# KiCad board manila_ice.kicad_pcb
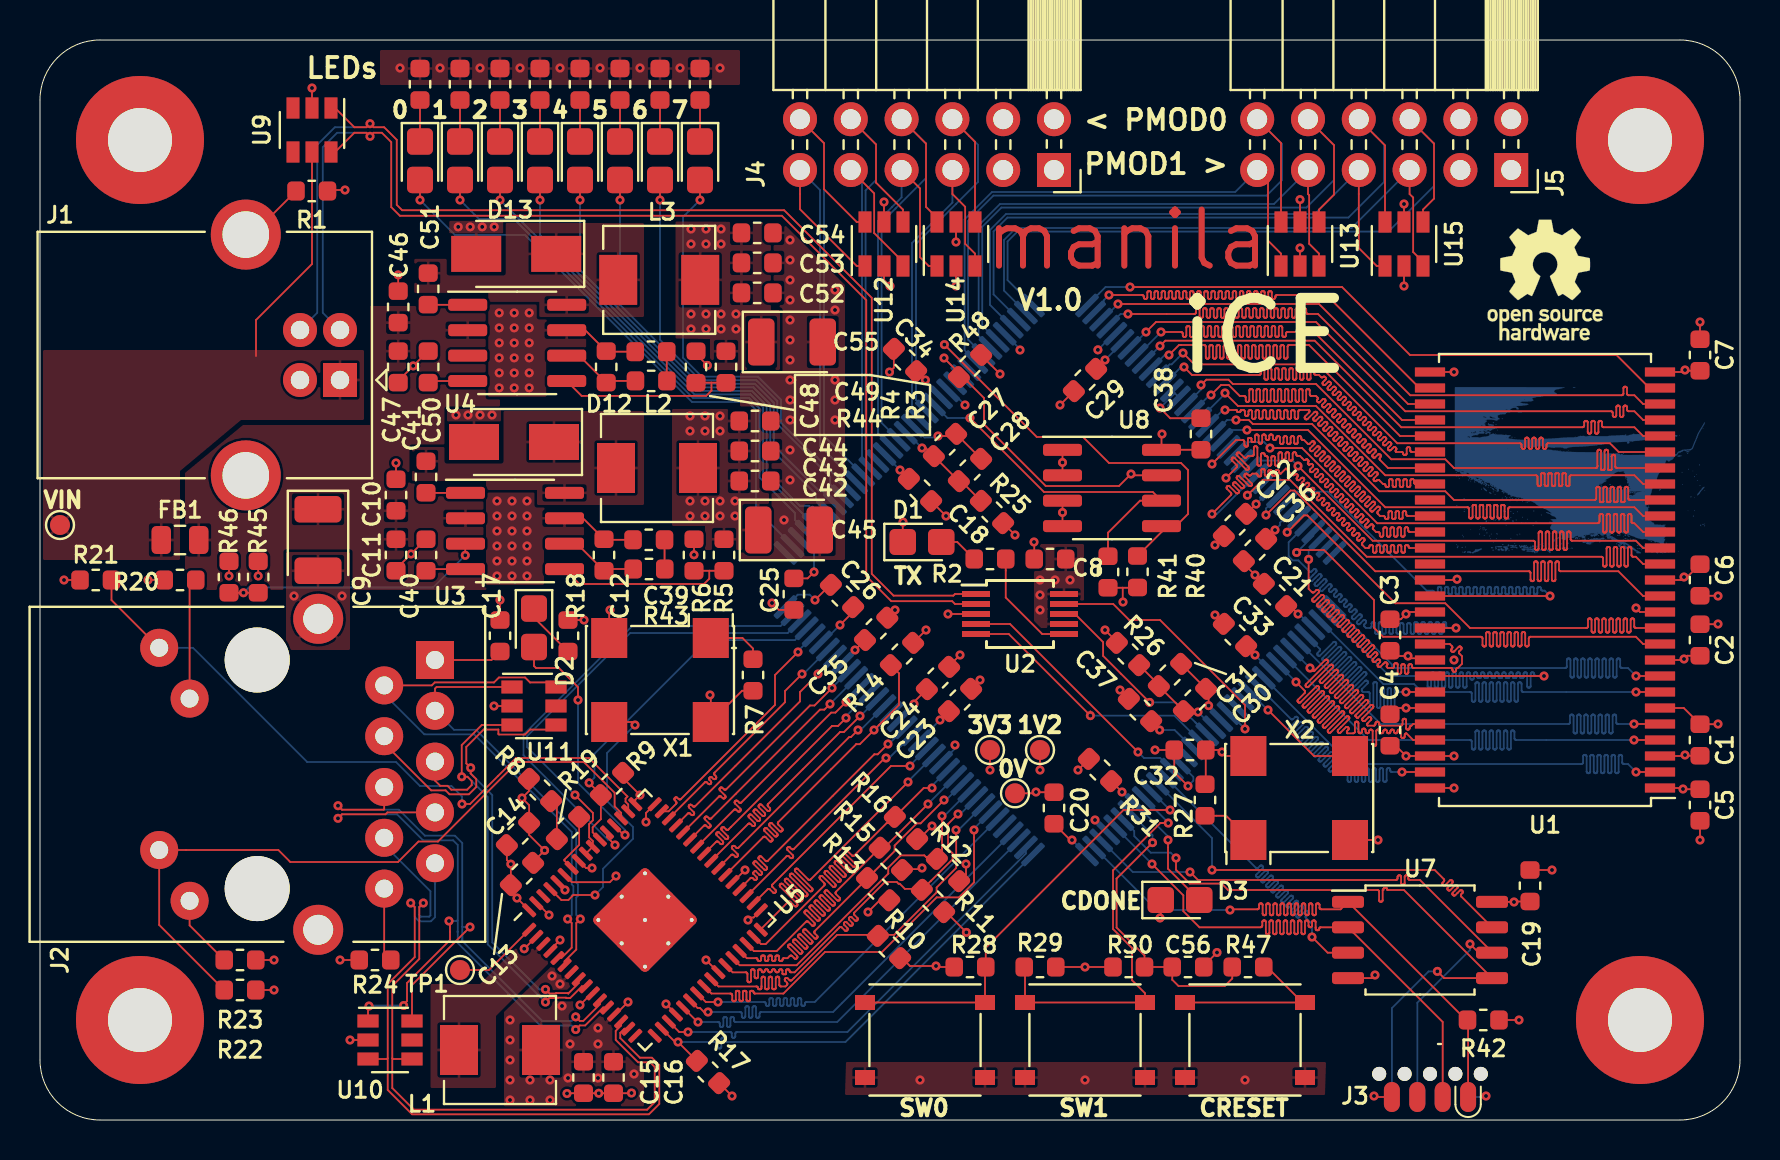
[diagram p0: board, top side]
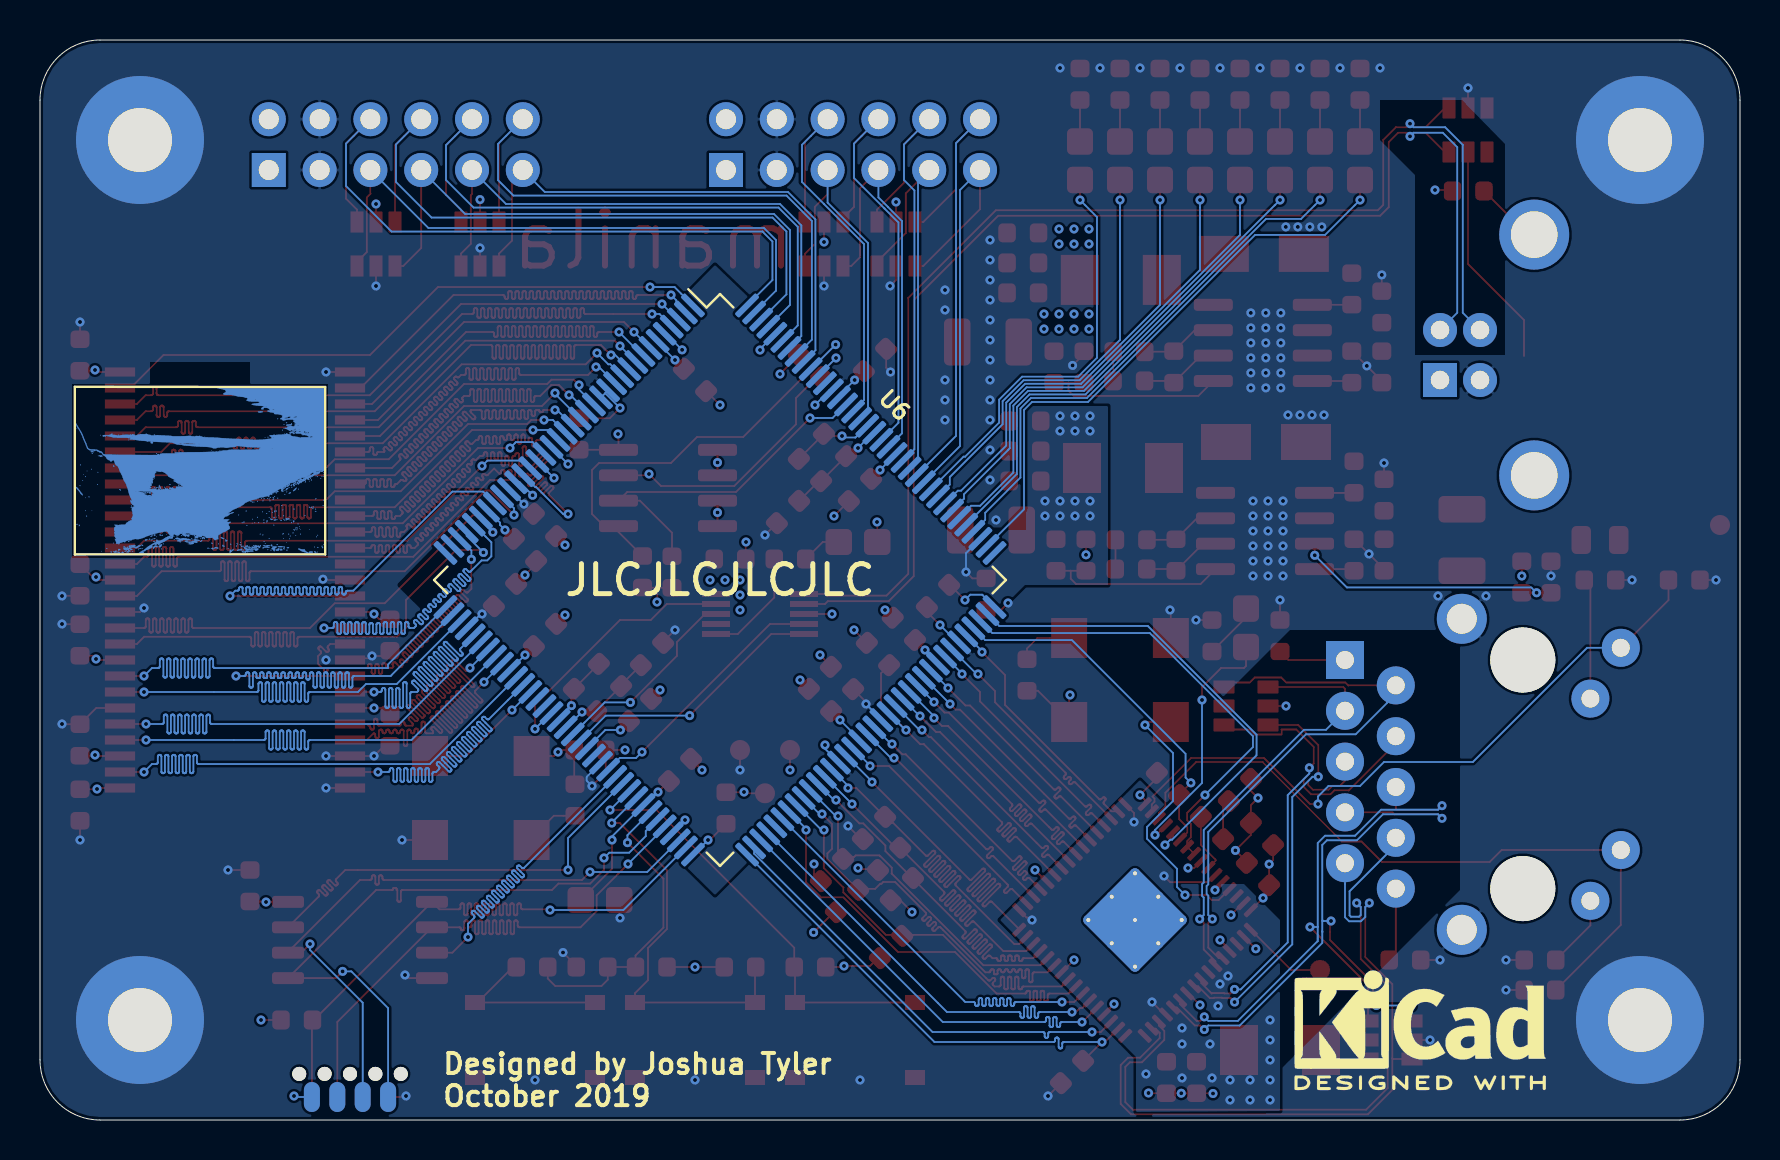
[diagram p1: board, bottom side, seen from below]

Outline 85 x 54 mm; copper layers: Top, In1.Cu, In2.Cu, Bottom. Coordinates in mm from the lower left corner of the outline.
Outline path: 0,51 arc(0.88,53.12) 3,54 82,54 arc(84.12,53.12) 85,51 85,3 arc(84.12,0.88) 82,0 3,0 arc(0.88,0.88) 0,3 0,51

## Placement (name value [footprint] x y rotation side)
C1  100n  [C_0603_1608Metric]  83 19 90 top
C2  100n  [C_0603_1608Metric]  83 24 90 top
C3  100n  [C_0603_1608Metric]  67.5 24.25 270 top
C4  100n  [C_0603_1608Metric]  67.5 19.5 270 top
C5  100n  [C_0603_1608Metric]  83 15.75 270 top
C6  100n  [C_0603_1608Metric]  83 27 270 top
C7  100n  [C_0603_1608Metric]  83 38.25 90 top
C8  100n  [C_0603_1608Metric]  50.5 28.05 180 top
C9  100u  [CP_EIA-3528-21_Kemet-B]  13.9 29 270 top
C10  22u  [C_0603_1608Metric]  17.8 31.25 90 top
C11  100n  [C_0603_1608Metric]  17.8 28.25 270 top
C12  10p  [C_0603_1608Metric]  28.2 28.25 90 top
C13  100n  [C_0603_1608Metric]  24.1 12.3 45 top
C14  4u7  [C_0603_1608Metric]  23.9 14.3 45 top
C15  100n  [C_0603_1608Metric]  27.17 2.12 270 top
C16  4u7  [C_0603_1608Metric]  28.67 2.12 270 top
C17  100n  [C_0603_1608Metric]  23 24.21 90 top
C18  100n  [C_0603_1608Metric]  44 31.5 315 top
C19  100n  [C_0603_1608Metric]  74.5 11.71 90 top
C20  100n  [C_0603_1608Metric]  50.7 15.6 90 top
C21  100n  [C_0603_1608Metric]  61.75 26.25 135 top
C22  100n  [C_0603_1608Metric]  59.75 29.75 225 top
C23  100n  [C_0603_1608Metric]  46 21 45 top
C24  100n  [C_0603_1608Metric]  44.9 22.1 45 top
C25  100n  [C_0603_1608Metric]  37.69 26.29 270 top
C26  100n  [C_0603_1608Metric]  40.1 26.2 315 top
C27  100n  [C_0603_1608Metric]  45.25 33.75 45 top
C28  4u7  [C_0603_1608Metric]  46.5 32.5 45 top
C29  100n  [C_0603_1608Metric]  52.25 37 225 top
C30  100n  [C_0603_1608Metric]  57.75 21 45 top
C31  4u7  [C_0603_1608Metric]  56.5 22.25 45 top
C32  100n  [C_0603_1608Metric]  57.5 18.5 180 top
C33  100n  [C_0603_1608Metric]  59.75 24.25 135 top
C34  100n  [C_0603_1608Metric]  43.25 38 135 top
C35  100n  [C_0603_1608Metric]  41.81 24.56 45 top
C36  100n  [C_0603_1608Metric]  60.75 28.5 225 top
C37  100n  [C_0603_1608Metric]  55 20.5 135 top
C38  100n  [C_0603_1608Metric]  58.05 34.3 90 top
C39  1n  [C_0603_1608Metric]  30.44 29.01 180 top
C40  10n  [C_0603_1608Metric]  19.3 28.25 90 top
C41  100n  [C_0603_1608Metric]  19.3 32.15 90 top
C42  22u  [C_0603_1608Metric]  35.75 31.95 0 top
C43  22u  [C_0603_1608Metric]  35.75 33.45 0 top
C44  22u  [C_0603_1608Metric]  35.75 34.95 0 top
C45  100u  [CP_EIA-3528-21_Kemet-B]  37.45 29.5 0 top
C46  22u  [C_0603_1608Metric]  17.91 40.66 90 top
C47  100n  [C_0603_1608Metric]  17.91 37.66 270 top
C48  10p  [C_0603_1608Metric]  28.31 37.66 90 top
C49  1n  [C_0603_1608Metric]  30.55 38.42 180 top
C50  10n  [C_0603_1608Metric]  19.41 37.66 90 top
C51  100n  [C_0603_1608Metric]  19.41 41.56 90 top
C52  22u  [C_0603_1608Metric]  35.86 41.36 0 top
C53  22u  [C_0603_1608Metric]  35.86 42.86 0 top
C54  22u  [C_0603_1608Metric]  35.86 44.36 0 top
C55  100u  [CP_EIA-3528-21_Kemet-B]  37.6 38.9 0 top
C56  100n  [C_0603_1608Metric]  57.4 7.65 0 top
D1  LED  [D_0805_2012Metric_Castellated]  44.1 28.9 0 top
D2  LED  [D_0805_2012Metric_Castellated]  24.7 24.61 270 top
D3  LED  [D_0805_2012Metric_Castellated]  57 11 0 top
D4  LED  [D_0805_2012Metric_Castellated]  33 47.96 270 top
D5  LED  [D_0805_2012Metric_Castellated]  31 47.96 270 top
D6  LED  [D_0805_2012Metric_Castellated]  29 47.96 270 top
D7  LED  [D_0805_2012Metric_Castellated]  27 47.96 270 top
D8  LED  [D_0805_2012Metric_Castellated]  25 47.96 270 top
D9  LED  [D_0805_2012Metric_Castellated]  23 47.96 270 top
D10  LED  [D_0805_2012Metric_Castellated]  21 47.96 270 top
D11  LED  [D_0805_2012Metric_Castellated]  19 47.96 270 top
D12  SS54  [D_SMA]  23.7 33.9 180 top
D13  SS54  [D_SMA]  23.81 43.31 180 top
FB1  GZ2012D101TF  [L_0805_2012Metric]  7 29 180 top
H1  MountingHole_Pad  [MountingHole_3.2mm_M3_Pad]  5 49 0 top
H2  MountingHole_Pad  [MountingHole_3.2mm_M3_Pad]  80 49 0 top
H3  MountingHole_Pad  [MountingHole_3.2mm_M3_Pad]  80 5 0 top
H4  MountingHole_Pad  [MountingHole_3.2mm_M3_Pad]  5 5 0 top
J1  USB_B  [USB_B_OST_USB-B1HSxx_Horizontal]  15 37 180 top
J2  RB1-125B8G1A  [RJ45_UDE_RB1-125B8G1A]  19.75 23 270 top
J3  Conn_01x08  [SOIC_clipProgSmall]  69.5 0.4 0 top
J4  Conn_02x06_Odd_Even  [PinSocket_2x06_P2.54mm_Horizontal]  50.7 47.5 270 top
J5  Conn_02x06_Odd_Even  [PinSocket_2x06_P2.54mm_Horizontal]  73.56 47.5 270 top
L1  2u2  [L_Sunlord_MWSA0518_5.4x5.2mm]  23 3.5 0 top
L2  2u2  [L_Sunlord_MWSA0518_5.4x5.2mm]  30.85 32.6 0 top
L3  2u2  [L_Sunlord_MWSA0518_5.4x5.2mm]  30.96 42 0 top
R1  1k  [R_0603_1608Metric]  13.59 46.45 0 top
R2  1k  [R_0603_1608Metric]  47.5 28.05 180 top
R3  7k5  [R_0603_1608Metric]  34.3 37.65 270 top
R4  2k4  [R_0603_1608Metric]  32.8 37.65 90 top
R5  1k2  [R_0603_1608Metric]  34.2 28.25 270 top
R6  2k4  [R_0603_1608Metric]  32.7 28.25 90 top
R7  10k  [R_0603_1608Metric]  35.65 22.25 90 top
R8  91  [R_0603_1608Metric]  25 16.5 315 top
R9  10k  [R_0603_1608Metric]  28.6 16.8 225 top
R10  4k7  [R_0603_1608Metric]  42.45 8.65 135 top
R11  4k7  [R_0603_1608Metric]  44.65 10.95 135 top
R12  4k7  [R_0603_1608Metric]  45.4 12.5 135 top
R13  4k7  [R_0603_1608Metric]  41.91 11.54 135 top
R14  4k7  [R_0603_1608Metric]  43.1 23.3 45 top
R15  4k7  [R_0603_1608Metric]  42.54 13.06 135 top
R16  4k7  [R_0603_1608Metric]  43.3 14.6 315 top
R17  4k7  [R_0603_1608Metric]  33.4 2.4 315 top
R18  510  [R_0603_1608Metric]  26.4 24.21 90 top
R19  2k4  [R_0603_1608Metric]  26.4 14.6 45 top
R20  510  [R_0603_1608Metric]  7 27 180 top
R21  4k7  [R_0603_1608Metric]  2.79 27 180 top
R22  4k7  [R_0603_1608Metric]  10 6.5 0 top
R23  510  [R_0603_1608Metric]  10 8 0 top
R24  0R  [R_0603_1608Metric]  16.75 8 180 top
R25  100  [R_0603_1608Metric]  47.6 30.4 135 top
R26  100  [R_0603_1608Metric]  54.4 23.3 315 top
R27  10k  [R_0603_1608Metric]  58.25 16 270 top
R28  10k  [R_0603_1608Metric]  46.5 7.65 0 top
R29  10k  [R_0603_1608Metric]  50 7.65 180 top
R30  10k  [R_0603_1608Metric]  54.44 7.65 0 top
R31  1k  [R_0603_1608Metric]  53 17.5 315 top
R32  1k  [R_0603_1608Metric]  33 51.79 90 top
R33  1k  [R_0603_1608Metric]  31 51.79 90 top
R34  1k  [R_0603_1608Metric]  29 51.79 90 top
R35  1k  [R_0603_1608Metric]  27 51.79 90 top
R36  1k  [R_0603_1608Metric]  25 51.79 90 top
R37  1k  [R_0603_1608Metric]  23 51.79 90 top
R38  1k  [R_0603_1608Metric]  21 51.79 90 top
R39  1k  [R_0603_1608Metric]  19 51.79 90 top
R40  10k  [R_0603_1608Metric]  54.88 27.41 90 top
R41  10k  [R_0603_1608Metric]  53.4 27.4 90 top
R42  10k  [R_0603_1608Metric]  72.16 5 180 top
R43  43k  [R_0603_1608Metric]  30.45 27.55 0 top
R44  43k  [R_0603_1608Metric]  30.56 36.95 0 top
R45  360k  [R_0603_1608Metric]  10.91 27.15 270 top
R46  180k  [R_0603_1608Metric]  9.45 27.15 90 top
R47  100  [R_0603_1608Metric]  60.4 7.65 0 top
R48  10k  [R_0603_1608Metric]  46.5 37.7 225 top
SW1  SW_SPST  [SW_Push_1P1T_NO_5.1x5.1mm]  44.25 4 0 top
SW2  SW_SPST  [SW_Push_1P1T_NO_5.1x5.1mm]  52.25 4 0 top
SW3  SW_SPST  [SW_Push_1P1T_NO_5.1x5.1mm]  60.25 4 0 top
SYM1  OSHW logo  [OSHW-Logo_5.7x6mm_SilkScreen]  75.25 42 0 top
SYM2  Make with KiCad logo  [KiCad-Logo2_5mm_SilkScreen]  16 4.5 180 bottom
SYM3  Shetland picture  [Shetland_combined]  77 32.5 180 bottom
TP1  TestPoint  [TestPoint_Pad_D1.0mm]  21 7.5 0 top
TP2  TestPoint  [TestPoint_Pad_D1.0mm]  47.5 18.5 0 top
TP3  TestPoint  [TestPoint_Pad_D1.0mm]  50 18.5 0 top
TP4  TestPoint  [TestPoint_Pad_D1.0mm]  1 29.75 0 top
TP5  TestPoint  [TestPoint_Pad_D1.0mm]  48.75 16.33 0 top
U1  W9812G6KH-6  [TSOP-II-54_22.2x10.16mm_P0.8mm]  75.25 27 180 top
U2  CH340E  [MSOP-10_3x3mm_P0.5mm]  49 25.3 0 top
U3  TPS54331D  [SOIC-8_3.9x4.9mm_P1.27mm]  23.75 29.45 0 top
U4  TPS54331D  [SOIC-8_3.9x4.9mm_P1.27mm]  23.86 38.86 0 top
U5  RTL8211EG-VB-CG  [QFN-64-1EP_9x9mm_P0.5mm_EP3.8x3.8mm_ThermalVias]  30.25 10 45 top
U6  ICE40HX4K-TQ144  [TQFP-144_20x20mm_P0.5mm]  51 27 225 bottom
U7  W25Q128JVS  [SOIC-8_5.23x5.23mm_P1.27mm]  69 9 0 top
U8  M24C01-RMN  [SOIC-8_3.9x4.9mm_P1.27mm]  53.6 31.6 0 top
U9  SRV05-4  [SOT-23-6]  13.6 49.5 270 top
U10  SRV05-4  [SOT-23-6]  17.5 4 0 top
U11  SRV05-4  [SOT-23-6]  24.7 20.7 0 top
U12  SRV05-4  [SOT-23-6]  42.2 43.8 90 top
U13  SRV05-4  [SOT-23-6]  63 43.8 90 top
U14  SRV05-4  [SOT-23-6]  45.8 43.8 90 top
U15  SRV05-4  [SOT-23-6]  68.2 43.8 90 top
X1  SG-7050CAN  [Oscillator_SMD_SeikoEpson_SG8002CA-4Pin_7.0x5.0mm]  31 22 180 top
X2  SG-7050CAN  [Oscillator_SMD_SeikoEpson_SG8002CA-4Pin_7.0x5.0mm]  62.96 16.1 0 top

## Footprints (pads in the part's own frame, mm; a bottom-side part is the same pattern mirrored in y, then rotated)
C_0603_1608Metric
  rrect 0.875x0.95 smd: 1(-0.788,0) 2(0.788,0)
CP_EIA-3528-21_Kemet-B
  rrect 1.325x2.35 smd: 1(-1.538,0) 2(1.538,0)
D_0805_2012Metric_Castellated
  rrect 1.325x1.3 smd: 1(-0.963,0) 2(0.963,0)
D_SMA
  rect 2.5x1.8 smd: 1(-2,0) 2(2,0)
L_0805_2012Metric
  rrect 0.975x1.4 smd: 1(-0.938,0) 2(0.938,0)
L_Sunlord_MWSA0518_5.4x5.2mm
  rect 1.9x2.5 smd: 1(-2.05,0) 2(2.05,0)
MountingHole_3.2mm_M3_Pad
  round 6.4 hole 3.2: 1(0,0)
MSOP-10_3x3mm_P0.5mm
  rect 1.4x0.3 smd: 1(-2.2,1) 2(-2.2,0.5) 3(-2.2,0) 4(-2.2,-0.5) 5(-2.2,-1) 6(2.2,-1) 7(2.2,-0.5) 8(2.2,0) 9(2.2,0.5) 10(2.2,1)
Oscillator_SMD_SeikoEpson_SG8002CA-4Pin_7.0x5.0mm
  rect 1.8x2 smd: 1(-2.54,-2.1) 2(2.54,-2.1) 3(2.54,2.1) 4(-2.54,2.1)
PinSocket_2x06_P2.54mm_Horizontal
  rect 1.7x1.7 hole 1: 1(0,0)
  oval 1.7x1.7 hole 1: 2(-2.54,0) 3(0,-2.54) 4(-2.54,-2.54) 5(0,-5.08) 6(-2.54,-5.08) 7(0,-7.62) 8(-2.54,-7.62) 9(0,-10.16) 10(-2.54,-10.16) 11(0,-12.7) 12(-2.54,-12.7)
QFN-64-1EP_9x9mm_P0.5mm_EP3.8x3.8mm_ThermalVias
  custom 1.532x1.532 smd: (-0.825,0.825) (-0.825,-0.825) (0.825,0.825) (0.825,-0.825)
  rrect 0.825x0.25 smd: 1(-4.438,3.75) 2(-4.438,3.25) 3(-4.438,2.75) 4(-4.438,2.25) 5(-4.438,1.75) 6(-4.438,1.25) 7(-4.438,0.75) 8(-4.438,0.25) 9(-4.438,-0.25) 10(-4.438,-0.75) 11(-4.438,-1.25) 12(-4.438,-1.75) 13(-4.438,-2.25) 14(-4.438,-2.75) 15(-4.438,-3.25) 16(-4.438,-3.75) 33(4.438,-3.75) 34(4.438,-3.25) 35(4.438,-2.75) 36(4.438,-2.25) 37(4.438,-1.75) 38(4.438,-1.25) 39(4.438,-0.75) 40(4.438,-0.25) 41(4.438,0.25) 42(4.438,0.75) 43(4.438,1.25) 44(4.438,1.75) 45(4.438,2.25) 46(4.438,2.75) 47(4.438,3.25) 48(4.438,3.75)
  rrect 0.25x0.825 smd: 17(-3.75,-4.438) 18(-3.25,-4.438) 19(-2.75,-4.438) 20(-2.25,-4.438) 21(-1.75,-4.438) 22(-1.25,-4.438) 23(-0.75,-4.438) 24(-0.25,-4.438) 25(0.25,-4.438) 26(0.75,-4.438) 27(1.25,-4.438) 28(1.75,-4.438) 29(2.25,-4.438) 30(2.75,-4.438) 31(3.25,-4.438) 32(3.75,-4.438) 49(3.75,4.438) 50(3.25,4.438) 51(2.75,4.438) 52(2.25,4.438) 53(1.75,4.438) 54(1.25,4.438) 55(0.75,4.438) 56(0.25,4.438) 57(-0.25,4.438) 58(-0.75,4.438) 59(-1.25,4.438) 60(-1.75,4.438) 61(-2.25,4.438) 62(-2.75,4.438) 63(-3.25,4.438) 64(-3.75,4.438)
  round 0.5 hole 0.2: 65(-1.65,1.65) 65(-1.65,0) 65(-1.65,-1.65) 65(0,1.65) 65(0,0) 65(0,-1.65) 65(1.65,1.65) 65(1.65,0) 65(1.65,-1.65)
  rrect 3.8x3.8 smd: 65(0,0)
  rrect 3.8x3.8 smd far side: 65(0,0)
R_0603_1608Metric
  rrect 0.875x0.95 smd: 1(-0.787,0) 2(0.787,0)
RJ45_UDE_RB1-125B8G1A
  round 3.25 hole 3.25 unplated: (0,-8.89) (11.43,-8.89)
  round 1.9 hole 0.9: L1(12.04,-12.27) L2(9.5,-13.79) L3(1.93,-12.27) L4(-0.61,-13.79) R2(1.27,-2.54) R3(2.54,0) R4(3.81,-2.54) R5(5.08,0) R6(6.35,-2.54) R7(7.62,0) R8(8.89,-2.54) R9(10.16,0) R10(11.43,-2.54)
  rect 1.9x1.9 hole 0.9: R1(0,0)
  round 2.5 hole 1.5: SH(-2.06,-5.84) SH(13.49,-5.84)
SOIC-8_3.9x4.9mm_P1.27mm
  rrect 1.95x0.6 smd: 1(-2.475,1.905) 2(-2.475,0.635) 3(-2.475,-0.635) 4(-2.475,-1.905) 5(2.475,-1.905) 6(2.475,-0.635) 7(2.475,0.635) 8(2.475,1.905)
SOIC-8_5.23x5.23mm_P1.27mm
  rrect 1.6x0.6 smd: 1(-3.6,1.905) 2(-3.6,0.635) 3(-3.6,-0.635) 4(-3.6,-1.905) 5(3.6,-1.905) 6(3.6,-0.635) 7(3.6,0.635) 8(3.6,1.905)
SOIC_clipProgSmall
  round 0.7 hole 0.7 unplated: (-2.54,1.905) (-1.27,1.905) (0,1.905) (1.27,1.905) (2.54,1.905)
  oval 0.8x1.5 smd: 1(1.905,0.75) 2(0.635,0.75) 3(-0.635,0.75) 4(-1.905,0.75)
  oval 0.8x1.5 smd far side: 5(-1.905,0.75) 6(-0.635,0.75) 7(0.635,0.75) 8(1.905,0.75)
SOT-23-6
  rect 1.06x0.65 smd: 1(-1.1,0.95) 2(-1.1,0) 3(-1.1,-0.95) 4(1.1,-0.95) 5(1.1,0) 6(1.1,0.95)
SW_Push_1P1T_NO_5.1x5.1mm
  rect 1x0.75 smd: 1(-3,1.875) 1(3,1.875) 2(-3,-1.875) 2(3,-1.875)
TestPoint_Pad_D1.0mm
  round 1 smd: 1(0,0)
TQFP-144_20x20mm_P0.5mm
  rrect 1.475x0.3 smd: 1(-10.662,8.75) 2(-10.662,8.25) 3(-10.663,7.75) 4(-10.662,7.25) 5(-10.662,6.75) 6(-10.662,6.25) 7(-10.662,5.75) 8(-10.662,5.25) 9(-10.662,4.75) 10(-10.662,4.25) 11(-10.662,3.75) 12(-10.662,3.25) 13(-10.662,2.75) 14(-10.662,2.25) 15(-10.662,1.75) 16(-10.663,1.25) 17(-10.662,0.75) 18(-10.662,0.25) 19(-10.662,-0.25) 20(-10.662,-0.75) 21(-10.663,-1.25) 22(-10.662,-1.75) 23(-10.662,-2.25) 24(-10.662,-2.75) 25(-10.662,-3.25) 26(-10.662,-3.75) 27(-10.662,-4.25) 28(-10.662,-4.75) 29(-10.662,-5.25) 30(-10.662,-5.75) 31(-10.662,-6.25) 32(-10.662,-6.75) 33(-10.662,-7.25) 34(-10.663,-7.75) 35(-10.662,-8.25) 36(-10.662,-8.75) 73(10.662,-8.75) 74(10.662,-8.25) 75(10.663,-7.75) 76(10.662,-7.25) 77(10.662,-6.75) 78(10.662,-6.25) 79(10.662,-5.75) 80(10.662,-5.25) 81(10.662,-4.75) 82(10.662,-4.25) 83(10.662,-3.75) 84(10.662,-3.25) 85(10.662,-2.75) 86(10.662,-2.25) 87(10.662,-1.75) 88(10.663,-1.25) 89(10.662,-0.75) 90(10.662,-0.25) 91(10.662,0.25) 92(10.662,0.75) 93(10.663,1.25) 94(10.662,1.75) 95(10.662,2.25) 96(10.662,2.75) 97(10.662,3.25) 98(10.662,3.75) 99(10.662,4.25) 100(10.662,4.75) 101(10.662,5.25) 102(10.662,5.75) 103(10.662,6.25) 104(10.662,6.75) 105(10.662,7.25) 106(10.663,7.75) 107(10.662,8.25) 108(10.662,8.75)
  rrect 0.3x1.475 smd: 37(-8.75,-10.662) 38(-8.25,-10.662) 39(-7.75,-10.663) 40(-7.25,-10.662) 41(-6.75,-10.662) 42(-6.25,-10.662) 43(-5.75,-10.662) 44(-5.25,-10.662) 45(-4.75,-10.662) 46(-4.25,-10.662) 47(-3.75,-10.662) 48(-3.25,-10.662) 49(-2.75,-10.662) 50(-2.25,-10.662) 51(-1.75,-10.662) 52(-1.25,-10.663) 53(-0.75,-10.662) 54(-0.25,-10.662) 55(0.25,-10.662) 56(0.75,-10.662) 57(1.25,-10.663) 58(1.75,-10.662) 59(2.25,-10.662) 60(2.75,-10.662) 61(3.25,-10.662) 62(3.75,-10.662) 63(4.25,-10.662) 64(4.75,-10.662) 65(5.25,-10.662) 66(5.75,-10.662) 67(6.25,-10.662) 68(6.75,-10.662) 69(7.25,-10.662) 70(7.75,-10.663) 71(8.25,-10.662) 72(8.75,-10.662) 109(8.75,10.662) 110(8.25,10.662) 111(7.75,10.663) 112(7.25,10.662) 113(6.75,10.662) 114(6.25,10.662) 115(5.75,10.662) 116(5.25,10.662) 117(4.75,10.662) 118(4.25,10.662) 119(3.75,10.662) 120(3.25,10.662) 121(2.75,10.662) 122(2.25,10.662) 123(1.75,10.662) 124(1.25,10.663) 125(0.75,10.662) 126(0.25,10.662) 127(-0.25,10.662) 128(-0.75,10.662) 129(-1.25,10.663) 130(-1.75,10.662) 131(-2.25,10.662) 132(-2.75,10.662) 133(-3.25,10.662) 134(-3.75,10.662) 135(-4.25,10.662) 136(-4.75,10.662) 137(-5.25,10.662) 138(-5.75,10.662) 139(-6.25,10.662) 140(-6.75,10.662) 141(-7.25,10.662) 142(-7.75,10.663) 143(-8.25,10.662) 144(-8.75,10.662)
TSOP-II-54_22.2x10.16mm_P0.8mm
  rect 1.51x0.458 smd: 1(-5.75,10.4) 2(-5.75,9.6) 3(-5.75,8.8) 4(-5.75,8) 5(-5.75,7.2) 6(-5.75,6.4) 7(-5.75,5.6) 8(-5.75,4.8) 9(-5.75,4) 10(-5.75,3.2) 11(-5.75,2.4) 12(-5.75,1.6) 13(-5.75,0.8) 14(-5.75,0) 15(-5.75,-0.8) 16(-5.75,-1.6) 17(-5.75,-2.4) 18(-5.75,-3.2) 19(-5.75,-4) 20(-5.75,-4.8) 21(-5.75,-5.6) 22(-5.75,-6.4) 23(-5.75,-7.2) 24(-5.75,-8) 25(-5.75,-8.8) 26(-5.75,-9.6) 27(-5.75,-10.4) 28(5.75,-10.4) 29(5.75,-9.6) 30(5.75,-8.8) 31(5.75,-8) 32(5.75,-7.2) 33(5.75,-6.4) 34(5.75,-5.6) 35(5.75,-4.8) 36(5.75,-4) 37(5.75,-3.2) 38(5.75,-2.4) 39(5.75,-1.6) 40(5.75,-0.8) 41(5.75,0) 42(5.75,0.8) 43(5.75,1.6) 44(5.75,2.4) 45(5.75,3.2) 46(5.75,4) 47(5.75,4.8) 48(5.75,5.6) 49(5.75,6.4) 50(5.75,7.2) 51(5.75,8) 52(5.75,8.8) 53(5.75,9.6) 54(5.75,10.4)
USB_B_OST_USB-B1HSxx_Horizontal
  rect 1.7x1.7 hole 0.92: 1(0,0)
  round 1.7 hole 0.92: 2(0,-2.5) 3(2,-2.5) 4(2,0)
  round 3.5 hole 2.33: 5(4.71,4.77) 5(4.71,-7.27)

## Nets
+1V2: C21.1 C22.1 C24.1 C25.1 C42.1 C43.1 C44.1 C45.1 L2.2 R5.1 R25.1 R26.1 TP3.1 U6.27 U6.40 U6.92 U6.111
+3V3: C1.1 C2.1 C3.1 C4.1 C5.1 C6.1 C7.1 C8.1 C13.1 C14.1 C18.1 C19.1 C20.1 C23.1 C26.1 C29.1 C32.1 C33.1 C34.1 C35.1 C36.1 C37.1 C38.1 C52.1 C53.1 C54.1 C55.1 J3.8 J4.1 J4.2 J5.1 J5.2 L3.2 R3.1 R7.1 R9.1 R10.1 R11.1 R12.1 R13.1 R15.1 R27.1 R28.1 R29.1 R30.1 R31.1 R40.1 R41.1 R42.1 R45.1 R48.1 TP2.1 U1.1 U1.3 U1.9 U1.14 U1.27 U1.43 U1.49 U2.7 U2.10 U5.10 U5.20 U5.26 U5.37 U5.49 U5.57 U5.60 U5.64 U6.6 U6.30 U6.46 U6.57 U6.72 U6.89 U6.100 U6.108 U6.123 U6.131 U7.8 U8.8 U12.5 U13.5 U14.5 U15.5 X1.4 X2.4
/5V: C9.1 C10.1 C11.1 C46.1 C47.1 FB1.1 U3.2 U4.2
/ETHERNET/VDD: C15.1 C16.1 L1.2 U5.7 U5.13 U5.33 U5.48 U5.59
/FPGA/GNDPLL0: C30.2 C31.2 U6.53
/FPGA/GNDPLL1: C27.2 C28.2 U6.127
/FPGA/VCCPLL0: C30.1 C31.1 R26.2 U6.54
/FPGA/VCCPLL1: C27.1 C28.1 R25.2 U6.126
/VBUS: FB1.2 J1.1 TP4.1 U9.5
GND: C1.2 C2.2 C3.2 C4.2 C5.2 C6.2 C7.2 C8.2 C9.2 C10.2 C11.2 C12.2 C13.2 C14.2 C15.2 C16.2 C17.2 C18.2 C19.2 C20.2 C21.2 C22.2 C23.2 C24.2 C25.2 C26.2 C29.2 C32.2 C33.2 C34.2 C35.2 C36.2 C37.2 C38.2 C39.2 C40.2 C42.2 C43.2 C44.2 C45.2 C46.2 C47.2 C48.2 C49.2 C50.2 C52.2 C53.2 C54.2 C55.2 C56.2 D1.1 D3.1 D12.2 D13.2 H1.1 H2.1 H3.1 H4.1 J1.4 J2.SH J3.4 J4.3 J4.4 J5.3 J5.4 R1.2 R4.2 R6.2 R8.1 R14.2 R16.2 R17.2 R18.2 R20.2 R21.2 R22.2 R23.2 R24.2 R32.2 R33.2 R34.2 R35.2 R36.2 R37.2 R38.2 R39.2 R46.2 SW1.2 SW2.2 SW3.2 TP5.1 U1.6 U1.12 U1.28 U1.41 U1.46 U1.52 U1.54 U2.3 U3.7 U4.7 U5.2 U5.4 U5.63 U5.65 U6.5 U6.13 U6.14 U6.59 U6.69 U6.86 U6.103 U6.132 U6.140 U7.4 U8.1 U8.2 U8.3 U8.4 U9.2 U10.2 U11.2 U12.2 U13.2 U14.2 U15.2 X1.2 X2.2
/1V2_REG/BOOT: C41.1 U3.1
/1V2_REG/COMP: C12.1 R43.1 U3.6
/1V2_REG/COMP_RC: C39.1 R43.2
/1V2_REG/EN: R45.2 R46.1 U3.3
/1V2_REG/FB: R5.2 R6.1 U3.5
/1V2_REG/PH: C41.2 D12.1 L2.1 U3.8
/1V2_REG/SS: C40.1 U3.4
/3V3_REG/BOOT: C51.1 U4.1
/3V3_REG/COMP: C48.1 R44.1 U4.6
/3V3_REG/COMP_RC: C49.1 R44.2
/3V3_REG/EN: U4.3
/3V3_REG/FB: R3.2 R4.1 U4.5
/3V3_REG/PH: C51.2 D13.1 L3.1 U4.8
/3V3_REG/SS: C50.1 U4.4
/EEPROM/SCL: R41.2 U6.130 U8.6
/EEPROM/SDA: R40.2 U6.135 U8.5
/EEPROM/~{WC}: R48.2 U6.134 U8.7
/ETHERNET/CLK50: U5.61 X1.3
/ETHERNET/CLK125: TP1.1 U5.1
/ETHERNET/COL: R16.1 U5.31 U6.85
/ETHERNET/CS: U5.32 U6.87
/ETHERNET/CT: C17.1 J2.R1
/ETHERNET/LED_G_HIGH: J2.L4 R21.1 U5.50
/ETHERNET/LED_G_LOW: J2.L3 R20.1
/ETHERNET/LED_Y_HIGH: J2.L2 R22.1 U5.51
/ETHERNET/LED_Y_LOW: J2.L1 R23.1
/ETHERNET/MDI0_N: J2.R3 U5.6 U11.1
/ETHERNET/MDI0_P: J2.R2 U5.5 U11.6
/ETHERNET/MDI1_N: J2.R5 U5.9 U11.3
/ETHERNET/MDI1_P: J2.R4 U5.8 U11.4
/ETHERNET/MDI2_N: J2.R7 U5.12 U10.1
/ETHERNET/MDI2_P: J2.R6 U5.11 U10.6
/ETHERNET/MDI3_N: J2.R9 U5.15 U10.3
/ETHERNET/MDI3_P: J2.R8 U5.14 U10.4
/ETHERNET/REG_OUT: L1.1 U5.3
/ETHERNET/RXCLK: U5.24 U6.79
/ETHERNET/TERM: J2.R10 R24.1
/FPGA/CBSEL0: R28.2 SW1.1 U6.63
/FPGA/CBSEL1: R29.2 SW2.1 U6.64
/FPGA/CDONE: D3.2 R31.2 U6.65
/FPGA/ETH_GTXCLK: U5.34 U6.88
/FPGA/ETH_MDC: U5.53 U6.107
/FPGA/ETH_MDIO: R9.2 U5.54 U6.105
/FPGA/ETH_RXD0: U5.19 U6.74
/FPGA/ETH_RXD1: U5.21 U6.75
/FPGA/ETH_RXD2: U5.22 U6.76
/FPGA/ETH_RXD3: U5.23 U6.78
/FPGA/ETH_RXD4: R10.2 U5.25 U6.80
/FPGA/ETH_RXD5: R11.2 U5.27 U6.81
/FPGA/ETH_RXD6: R12.2 U5.28 U6.82
/FPGA/ETH_RXD7: R13.2 U5.29 U6.83
/FPGA/ETH_RXDV: R17.1 U5.18 U6.73
/FPGA/ETH_RXER: R15.2 U5.30 U6.84
/FPGA/ETH_TXCLK: U5.42 U6.97
/FPGA/ETH_TXD0: U5.36 U6.91
/FPGA/ETH_TXD1: U5.39 U6.94
/FPGA/ETH_TXD2: U5.40 U6.95
/FPGA/ETH_TXD3: U5.41 U6.96
/FPGA/ETH_TXD4: U5.43 U6.98
/FPGA/ETH_TXD5: U5.44 U6.99
/FPGA/ETH_TXD6: U5.45 U6.101
/FPGA/ETH_TXD7: U5.46 U6.102
/FPGA/ETH_TXEN: U5.35 U6.90
/FPGA/ETH_TXER: U5.47 U6.104
/FPGA/LED0: D11.2 U6.110
/FPGA/LED1: D10.2 U6.112
/FPGA/LED2: D9.2 U6.113
/FPGA/LED3: D8.2 U6.114
/FPGA/LED4: D7.2 U6.115
/FPGA/LED5: D6.2 U6.116
/FPGA/LED6: D5.2 U6.117
/FPGA/LED7: D4.2 U6.118
/FPGA/MISO: J3.2 U6.68 U7.2
/FPGA/MOSI: J3.5 U6.67 U7.5
/FPGA/QSPI_IO2: U6.61 U7.3
/FPGA/QSPI_IO3: U6.62 U7.7
/FPGA/RAM_UDQM: U1.39 U6.25
/FPGA/SCK: J3.6 U6.70 U7.6
/FPGA/UART_CTS: U2.5 U6.56
/FPGA/UART_RX: U2.8 U6.55
/FPGA/~{CRESET}: C56.1 R30.2 R47.1 U6.66
/FPGA/~{CS}: J3.1 R42.2 U6.71 U7.1
/FPGA/~{ETH_PHYRST}: R14.1 U5.38 U6.93
/FPGA/~{ETH_PME_INT}: U5.55 U5.56 U6.106
/FPGA/~{RAM_RAS}: U1.18 U6.20
/FPGA/~{RAM_WE}: U1.16 U6.24
/FPGA/~{UART_RTS}: U2.4 U6.60
/PMODA/DATA0: J4.11 U6.119 U12.1
/PMODA/DATA1: J4.12 U6.120 U12.6
/PMODA/DATA2: J4.9 U6.121 U12.3
/PMODA/DATA3: J4.10 U6.122 U12.4
/PMODA/DATA4: J4.7 U6.124 U14.1
/PMODA/DATA5: J4.8 U6.125 U14.6
/PMODA/DATA6: J4.5 U6.128 U14.3
/PMODA/DATA7: J4.6 U6.129 U14.4
/PMODB/DATA0: J5.11 U6.136 U13.1
/PMODB/DATA1: J5.12 U6.137 U13.6
/PMODB/DATA2: J5.9 U6.138 U13.3
/PMODB/DATA3: J5.10 U6.139 U13.4
/PMODB/DATA4: J5.7 U6.141 U15.1
/PMODB/DATA5: J5.8 U6.142 U15.6
/PMODB/DATA6: J5.5 U6.143 U15.3
/PMODB/DATA7: J5.6 U6.144 U15.4
/SDRAM/ADDRESS0: U1.23 U6.9
/SDRAM/ADDRESS1: U1.24 U6.7
/SDRAM/ADDRESS2: U1.25 U6.3
/SDRAM/ADDRESS3: U1.26 U6.1
/SDRAM/ADDRESS4: U1.29 U6.2
/SDRAM/ADDRESS5: U1.30 U6.4
/SDRAM/ADDRESS6: U1.31 U6.8
/SDRAM/ADDRESS7: U1.32 U6.10
/SDRAM/ADDRESS8: U1.33 U6.12
/SDRAM/ADDRESS9: U1.34 U6.16
/SDRAM/ADDRESS10: U1.22 U6.11
/SDRAM/ADDRESS11: U1.35 U6.18
/SDRAM/BS0: U1.20 U6.17
/SDRAM/BS1: U1.21 U6.15
/SDRAM/CKE: U1.37 U6.21
/SDRAM/CLK: U1.38 U6.23
/SDRAM/DATA0: U1.2 U6.47
/SDRAM/DATA1: U1.4 U6.44
/SDRAM/DATA2: U1.5 U6.42
/SDRAM/DATA3: U1.7 U6.39
/SDRAM/DATA4: U1.8 U6.37
/SDRAM/DATA5: U1.10 U6.33
/SDRAM/DATA6: U1.11 U6.31
/SDRAM/DATA7: U1.13 U6.28
/SDRAM/DATA8: U1.42 U6.29
/SDRAM/DATA9: U1.44 U6.32
/SDRAM/DATA10: U1.45 U6.34
/SDRAM/DATA11: U1.47 U6.38
/SDRAM/DATA12: U1.48 U6.41
/SDRAM/DATA13: U1.50 U6.43
/SDRAM/DATA14: U1.51 U6.45
/SDRAM/DATA15: U1.53 U6.48
/SDRAM/LDQM: U1.15 U6.26
/SDRAM/~{CAS}: U1.17 U6.22
/SDRAM/~{CS}: U1.19 U6.19
/USB_D_N: J1.2 U2.2 U9.6
/USB_D_P: J1.3 U2.1 U9.1
/USB_UART/UART_RX: U2.9 U6.52
Net-(D1-Pad2): D1.2 R2.2
Net-(D2-Pad1): D2.1 R18.1
Net-(D2-Pad2): D2.2 U5.52
Net-(D4-Pad1): D4.1 R32.1
Net-(D5-Pad1): D5.1 R33.1
Net-(D6-Pad1): D6.1 R34.1
Net-(D7-Pad1): D7.1 R35.1
Net-(D8-Pad1): D8.1 R36.1
Net-(D9-Pad1): D9.1 R37.1
Net-(D10-Pad1): D10.1 R38.1
Net-(D11-Pad1): D11.1 R39.1
Net-(J1-Pad5): J1.5 R1.1
Net-(J3-Pad3): J3.3
Net-(J3-Pad7): J3.7
Net-(R2-Pad1): R2.1 U2.6
Net-(R7-Pad2): R7.2 X1.1
Net-(R19-Pad1): R8.2 R19.1
Net-(R19-Pad2): R19.2 U5.58
Net-(R27-Pad2): R27.2 X2.1
Net-(R47-Pad2): R47.2 SW3.1
Net-(U1-Pad36): U1.36
Net-(U1-Pad40): U1.40
Net-(U5-Pad16): U5.16
Net-(U5-Pad17): U5.17
Net-(U5-Pad62): U5.62
Net-(U6-Pad35): U6.35
Net-(U6-Pad36): U6.36
Net-(U6-Pad49): U6.49 X2.3
Net-(U6-Pad50): U6.50
Net-(U6-Pad51): U6.51
Net-(U6-Pad58): U6.58
Net-(U6-Pad77): U6.77
Net-(U6-Pad109): U6.109
Net-(U6-Pad133): U6.133
Net-(U9-Pad3): U9.3
Net-(U9-Pad4): U9.4
Net-(U10-Pad5): U10.5
Net-(U11-Pad5): U11.5

## Via types
v1: diameter 0.45, hole 0.2, Top to Bottom, 390 vias
